# KiCad board PANEL_DRY_ELEC_6CH_THIN.kicad_pcb (continued)
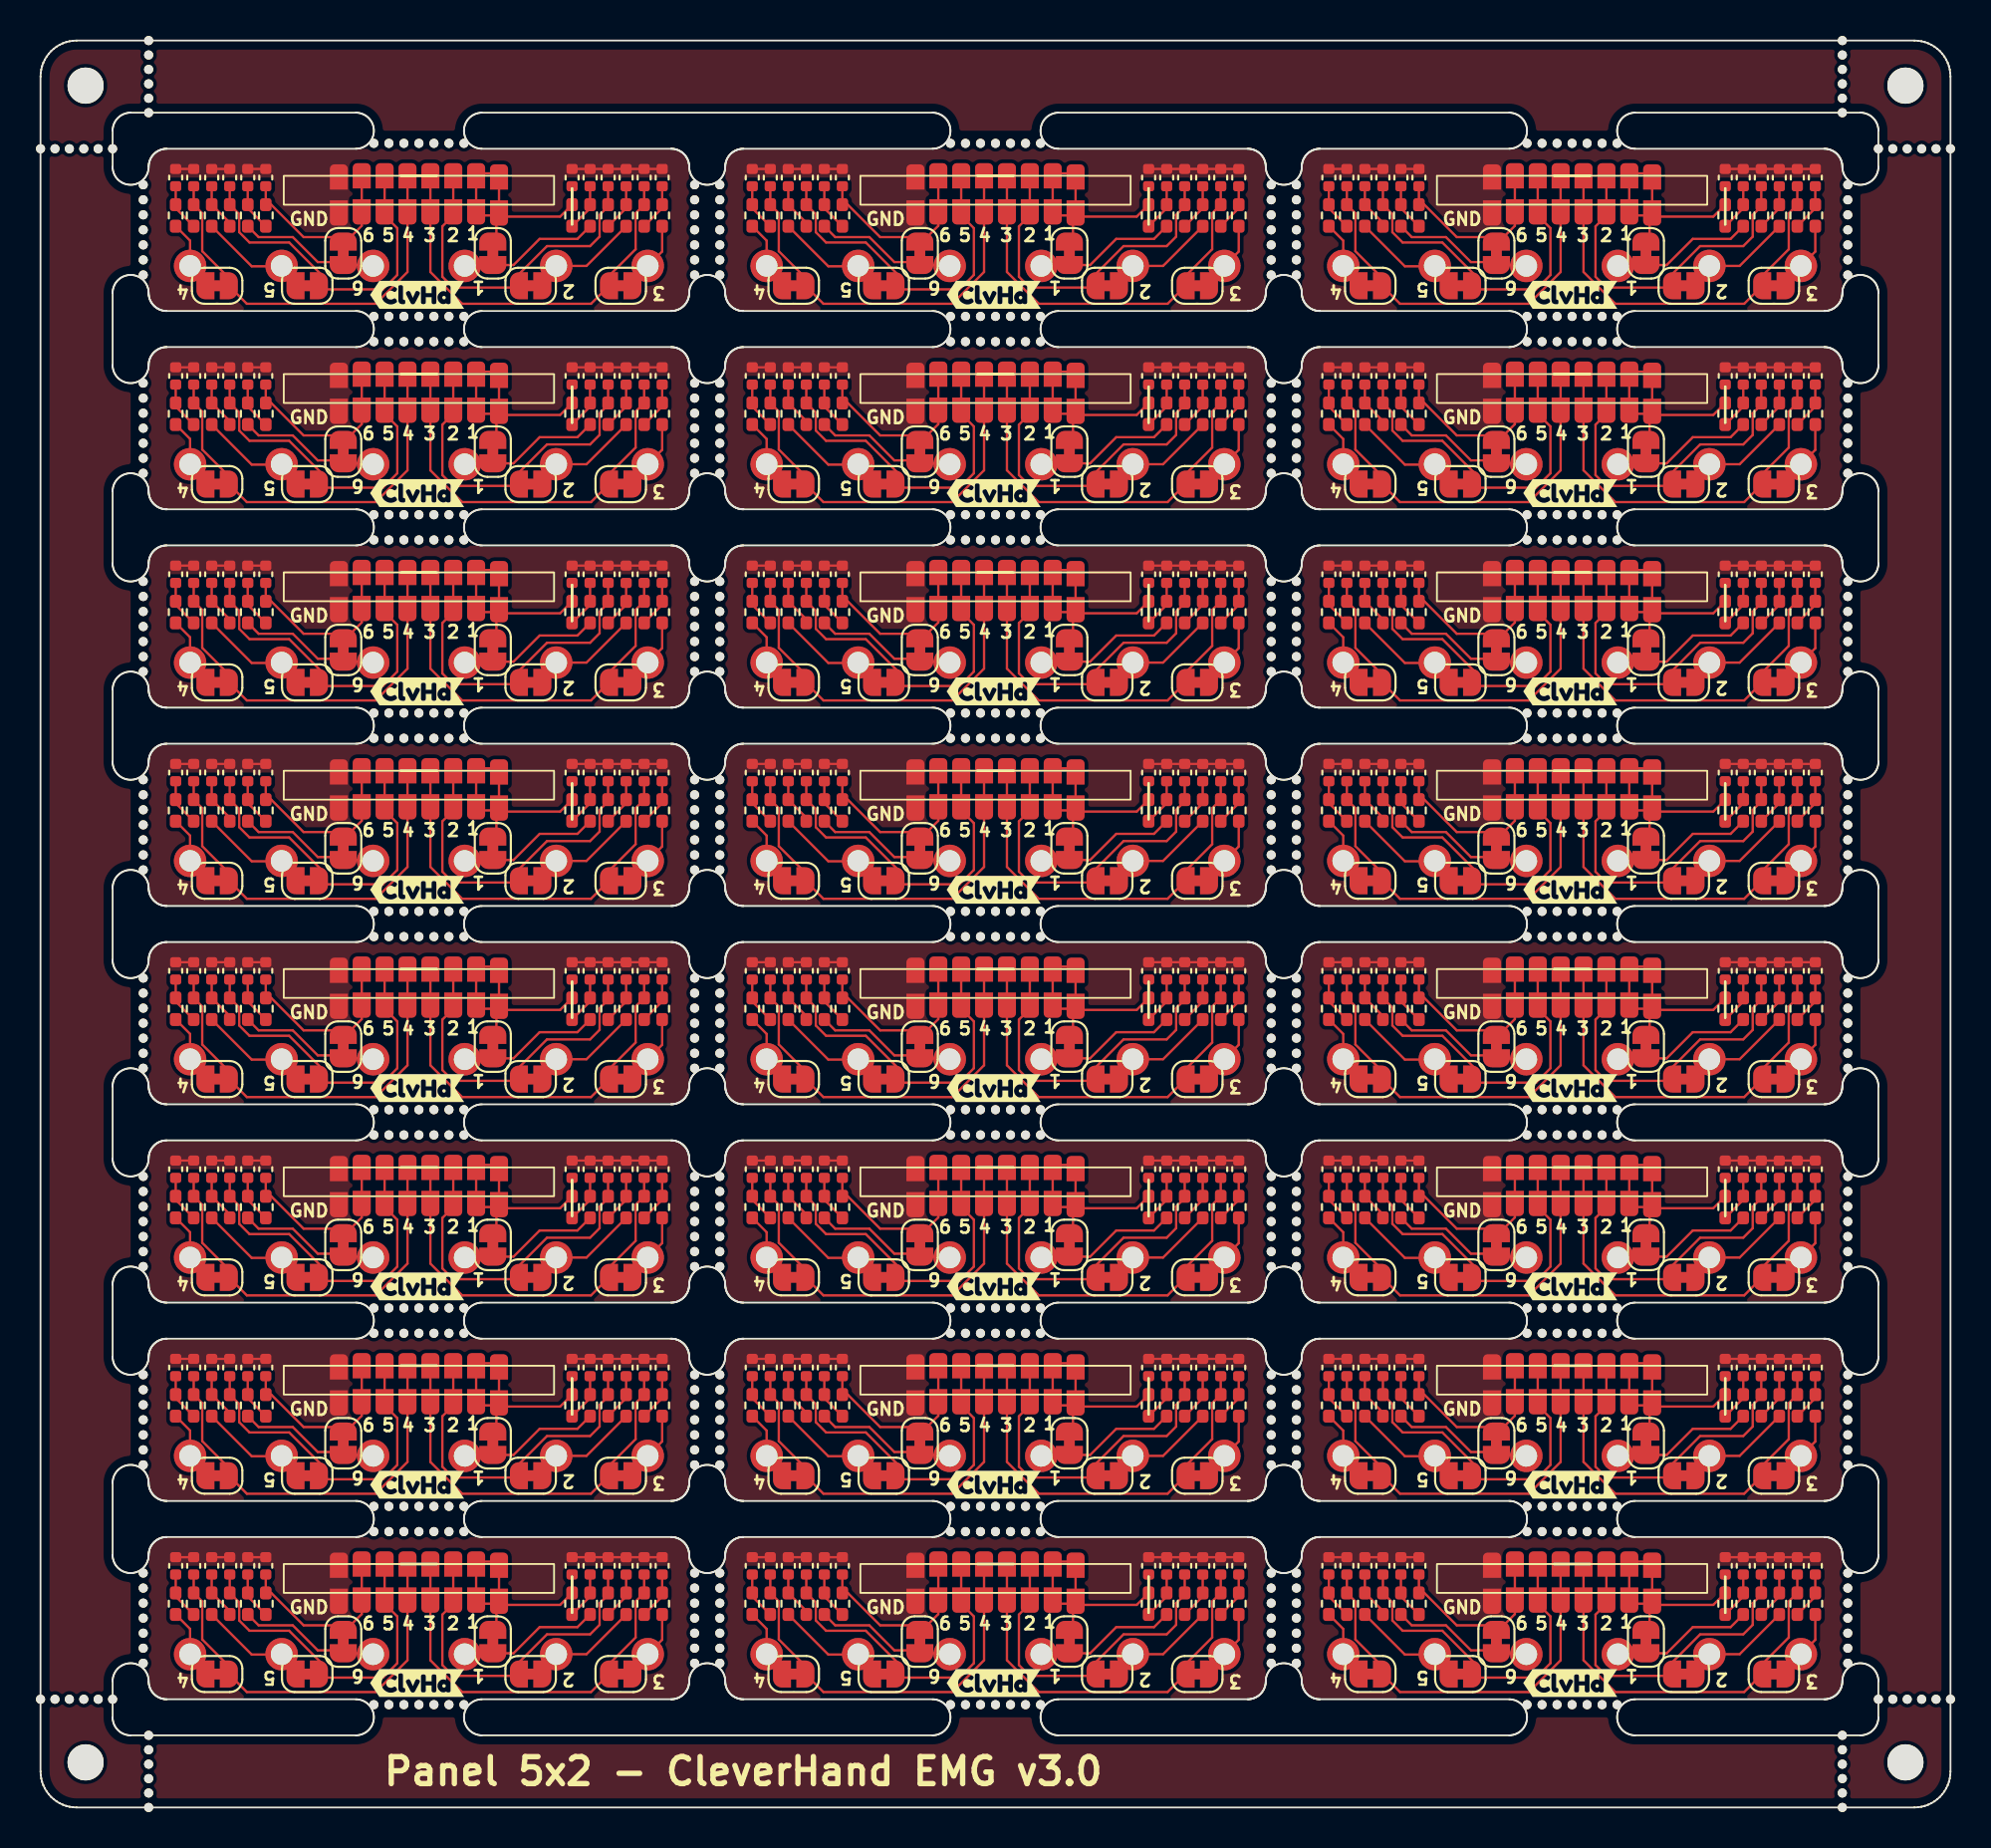
[diagram p0: board, top side]
## Nets (continued)
Board_4-/IN6: C12#23.1 J2#4.1 J10#9.1 JP6#14.2 R12#15.2
Board_4-GND: C1#18.2 C2#5.2 C3#4.2 C4#11.2 C5#7.2 C6#15.2 C7#2.2 C8#24.2 C9#2.2 C10#4.2 C11#23.2 C12#23.2 J1#12.1 J9#14.1
Board_4-Net-(C1-Pad1): C1#18.1 R1#10.2 R2#20.1
Board_4-Net-(C3-Pad1): C3#4.1 R3#19.2 R4#19.1
Board_4-Net-(C5-Pad1): C5#7.1 R5#2.2 R6#23.1
Board_4-Net-(C7-Pad1): C7#2.1 R7#13.2 R8.1
Board_4-Net-(C9-Pad1): C9#2.1 R9#3.2 R10#12.1
Board_4-Net-(C11-Pad1): C11#23.1 R11#16.2 R12#15.1
Board_5-/filtering_1/ELECTRODE: J17#17.1 JP1#2.1 R1#9.1
Board_5-/filtering_2/ELECTRODE: J18#19.1 JP2#24.1 R3.1
Board_5-/filtering_3/ELECTRODE: J19#10.1 JP3#24.1 R5#5.1
Board_5-/filtering_4/ELECTRODE: J20#14.1 JP4#11.1 R7#8.1
Board_5-/filtering_5/ELECTRODE: J21#5.1 JP5#7.1 R9#20.1
Board_5-/filtering_6/ELECTRODE: J22#24.1 JP6#4.1 R11#12.1
Board_5-/IN1: C2#24.1 J7#11.1 J8#14.1 J15#11.1 J16#20.1 JP1#2.2 R2#15.2
Board_5-/IN2: C4#19.1 J6#21.1 J14#2.1 JP2#24.2 R4#24.2
Board_5-/IN3: C6#10.1 J5#11.1 J13#18.1 JP3#24.2 R6#6.2
Board_5-/IN4: C8#2.1 J4#12.1 J12#23.1 JP4#11.2 R8#15.2
Board_5-/IN5: C10#3.1 J3#8.1 J11.1 JP5#7.2 R10#17.2
Board_5-/IN6: C12#4.1 J2#21.1 J10#10.1 JP6#4.2 R12#7.2
Board_5-GND: C1#16.2 C2#24.2 C3#11.2 C4#19.2 C5#4.2 C6#10.2 C7#21.2 C8#2.2 C9#19.2 C10#3.2 C11#19.2 C12#4.2 J1#5.1 J9#19.1
Board_5-Net-(C1-Pad1): C1#16.1 R1#9.2 R2#15.1
Board_5-Net-(C3-Pad1): C3#11.1 R3.2 R4#24.1
Board_5-Net-(C5-Pad1): C5#4.1 R5#5.2 R6#6.1
Board_5-Net-(C7-Pad1): C7#21.1 R7#8.2 R8#15.1
Board_5-Net-(C9-Pad1): C9#19.1 R9#20.2 R10#17.1
Board_5-Net-(C11-Pad1): C11#19.1 R11#12.2 R12#7.1
Board_6-/filtering_1/ELECTRODE: J17#6.1 JP1#11.1 R1#24.1
Board_6-/filtering_2/ELECTRODE: J18#14.1 JP2#15.1 R3#17.1
Board_6-/filtering_3/ELECTRODE: J19#12.1 JP3#23.1 R5#17.1
Board_6-/filtering_4/ELECTRODE: J20#3.1 JP4#5.1 R7#18.1
Board_6-/filtering_5/ELECTRODE: J21#10.1 JP5#4.1 R9#17.1
Board_6-/filtering_6/ELECTRODE: J22#5.1 JP6#15.1 R11#18.1
Board_6-/IN1: C2#3.1 J7#24.1 J8#20.1 J15#18.1 J16#14.1 JP1#11.2 R2#3.2
Board_6-/IN2: C4#23.1 J6#7.1 J14#5.1 JP2#15.2 R4#23.2
Board_6-/IN3: C6#8.1 J5#18.1 J13#6.1 JP3#23.2 R6#7.2
Board_6-/IN4: C8#23.1 J4#23.1 J12#13.1 JP4#5.2 R8#5.2
Board_6-/IN5: C10#17.1 J3#6.1 J11#21.1 JP5#4.2 R10#6.2
Board_6-/IN6: C12#7.1 J2#11.1 J10#7.1 JP6#15.2 R12.2
Board_6-GND: C1#2.2 C2#3.2 C3#13.2 C4#23.2 C5#20.2 C6#8.2 C7#9.2 C8#23.2 C9#17.2 C10#17.2 C11#17.2 C12#7.2 J1#3.1 J9#12.1
Board_6-Net-(C1-Pad1): C1#2.1 R1#24.2 R2#3.1
Board_6-Net-(C3-Pad1): C3#13.1 R3#17.2 R4#23.1
Board_6-Net-(C5-Pad1): C5#20.1 R5#17.2 R6#7.1
Board_6-Net-(C7-Pad1): C7#9.1 R7#18.2 R8#5.1
Board_6-Net-(C9-Pad1): C9#17.1 R9#17.2 R10#6.1
Board_6-Net-(C11-Pad1): C11#17.1 R11#18.2 R12.1
Board_7-/filtering_1/ELECTRODE: J17#3.1 JP1#21.1 R1#7.1
Board_7-/filtering_2/ELECTRODE: J18#9.1 JP2#3.1 R3#22.1
Board_7-/filtering_3/ELECTRODE: J19#15.1 JP3#13.1 R5#18.1
Board_7-/filtering_4/ELECTRODE: J20#4.1 JP4#13.1 R7#6.1
Board_7-/filtering_5/ELECTRODE: J21#3.1 JP5#3.1 R9#12.1
Board_7-/filtering_6/ELECTRODE: J22#11.1 JP6#3.1 R11#22.1
Board_7-/IN1: C2#18.1 J7#7.1 J8#22.1 J15.1 J16#16.1 JP1#21.2 R2#21.2
Board_7-/IN2: C4#5.1 J6#24.1 J14#10.1 JP2#3.2 R4#7.2
Board_7-/IN3: C6#14.1 J5#14.1 J13#3.1 JP3#13.2 R6#4.2
Board_7-/IN4: C8#21.1 J4#4.1 J12#9.1 JP4#13.2 R8#17.2
Board_7-/IN5: C10#6.1 J3#13.1 J11#19.1 JP5#3.2 R10#19.2
Board_7-/IN6: C12#14.1 J2#16.1 J10#6.1 JP6#3.2 R12#5.2
Board_7-GND: C1#3.2 C2#18.2 C3#2.2 C4#5.2 C5#9.2 C6#14.2 C7#18.2 C8#21.2 C9#11.2 C10#6.2 C11#6.2 C12#14.2 J1#14.1 J9#3.1
Board_7-Net-(C1-Pad1): C1#3.1 R1#7.2 R2#21.1
Board_7-Net-(C3-Pad1): C3#2.1 R3#22.2 R4#7.1
Board_7-Net-(C5-Pad1): C5#9.1 R5#18.2 R6#4.1
Board_7-Net-(C7-Pad1): C7#18.1 R7#6.2 R8#17.1
Board_7-Net-(C9-Pad1): C9#11.1 R9#12.2 R10#19.1
Board_7-Net-(C11-Pad1): C11#6.1 R11#22.2 R12#5.1
Board_8-/filtering_1/ELECTRODE: J17#2.1 JP1#12.1 R1#8.1
Board_8-/filtering_2/ELECTRODE: J18#12.1 JP2#21.1 R3#20.1
Board_8-/filtering_3/ELECTRODE: J19#11.1 JP3#7.1 R5#15.1
Board_8-/filtering_4/ELECTRODE: J20#2.1 JP4#12.1 R7#4.1
Board_8-/filtering_5/ELECTRODE: J21#23.1 JP5#9.1 R9.1
Board_8-/filtering_6/ELECTRODE: J22#21.1 JP6#5.1 R11#14.1
Board_8-/IN1: C2#19.1 J7#5.1 J8#18.1 J15#2.1 J16#3.1 JP1#12.2 R2#16.2
Board_8-/IN2: C4#17.1 J6#2.1 J14#3.1 JP2#21.2 R4#6.2
Board_8-/IN3: C6#6.1 J5#3.1 J13#22.1 JP3#7.2 R6#17.2
Board_8-/IN4: C8#19.1 J4#9.1 J12#10.1 JP4#12.2 R8#3.2
Board_8-/IN5: C10#20.1 J3#11.1 J11#11.1 JP5#9.2 R10#11.2
Board_8-/IN6: C12#21.1 J2#18.1 J10#4.1 JP6#5.2 R12#11.2
Board_8-GND: C1#5.2 C2#19.2 C3#5.2 C4#17.2 C5.2 C6#6.2 C7#8.2 C8#19.2 C9#14.2 C10#20.2 C11#16.2 C12#21.2 J1#18.1 J9#11.1
Board_8-Net-(C1-Pad1): C1#5.1 R1#8.2 R2#16.1
Board_8-Net-(C3-Pad1): C3#5.1 R3#20.2 R4#6.1
Board_8-Net-(C5-Pad1): C5.1 R5#15.2 R6#17.1
Board_8-Net-(C7-Pad1): C7#8.1 R7#4.2 R8#3.1
Board_8-Net-(C9-Pad1): C9#14.1 R9.2 R10#11.1
Board_8-Net-(C11-Pad1): C11#16.1 R11#14.2 R12#11.1
Board_9-/filtering_1/ELECTRODE: J17#4.1 JP1#22.1 R1#16.1
Board_9-/filtering_2/ELECTRODE: J18#3.1 JP2#12.1 R3#11.1
Board_9-/filtering_3/ELECTRODE: J19#4.1 JP3#21.1 R5#22.1
Board_9-/filtering_4/ELECTRODE: J20#16.1 JP4#23.1 R7#14.1
Board_9-/filtering_5/ELECTRODE: J21#18.1 JP5#23.1 R9#9.1
Board_9-/filtering_6/ELECTRODE: J22#7.1 JP6#8.1 R11#20.1
Board_9-/IN1: C2.1 J7#2.1 J8#16.1 J15#9.1 J16#10.1 JP1#22.2 R2#13.2
Board_9-/IN2: C4#8.1 J6#6.1 J14#20.1 JP2#12.2 R4#3.2
Board_9-/IN3: C6#19.1 J5#24.1 J13#5.1 JP3#21.2 R6#24.2
Board_9-/IN4: C8#20.1 J4#7.1 J12#3.1 JP4#23.2 R8#22.2
Board_9-/IN5: C10#12.1 J3#23.1 J11#8.1 JP5#23.2 R10#10.2
Board_9-/IN6: C12#11.1 J2#12.1 J10#18.1 JP6#8.2 R12#13.2
Board_9-GND: C1#8.2 C2.2 C3#8.2 C4#8.2 C5#8.2 C6#19.2 C7#16.2 C8#20.2 C9#8.2 C10#12.2 C11#22.2 C12#11.2 J1#22.1 J9.1
Board_9-Net-(C1-Pad1): C1#8.1 R1#16.2 R2#13.1
Board_9-Net-(C3-Pad1): C3#8.1 R3#11.2 R4#3.1
Board_9-Net-(C5-Pad1): C5#8.1 R5#22.2 R6#24.1
Board_9-Net-(C7-Pad1): C7#16.1 R7#14.2 R8#22.1
Board_9-Net-(C9-Pad1): C9#8.1 R9#9.2 R10#10.1
Board_9-Net-(C11-Pad1): C11#22.1 R11#20.2 R12#13.1
Board_10-/filtering_1/ELECTRODE: J17#7.1 JP1#24.1 R1#13.1
Board_10-/filtering_2/ELECTRODE: J18#17.1 JP2#10.1 R3#10.1
Board_10-/filtering_3/ELECTRODE: J19#21.1 JP3#22.1 R5#13.1
Board_10-/filtering_4/ELECTRODE: J20#9.1 JP4#20.1 R7#21.1
Board_10-/filtering_5/ELECTRODE: J21#17.1 JP5#11.1 R9#6.1
Board_10-/filtering_6/ELECTRODE: J22#13.1 JP6.1 R11#11.1
Board_10-/IN1: C2#9.1 J7#13.1 J8#11.1 J15#19.1 J16#18.1 JP1#24.2 R2#18.2
Board_10-/IN2: C4#14.1 J6#5.1 J14#6.1 JP2#10.2 R4#20.2
Board_10-/IN3: C6#7.1 J5#5.1 J13#21.1 JP3#22.2 R6#20.2
Board_10-/IN4: C8#13.1 J4#13.1 J12#12.1 JP4#20.2 R8#21.2
Board_10-/IN5: C10#13.1 J3#7.1 J11#14.1 JP5#11.2 R10#7.2
Board_10-/IN6: C12#16.1 J2#22.1 J10#19.1 JP6.2 R12#6.2
Board_10-GND: C1#4.2 C2#9.2 C3#3.2 C4#14.2 C5#12.2 C6#7.2 C7#4.2 C8#13.2 C9#3.2 C10#13.2 C11#11.2 C12#16.2 J1#13.1 J9#20.1
Board_10-Net-(C1-Pad1): C1#4.1 R1#13.2 R2#18.1
Board_10-Net-(C3-Pad1): C3#3.1 R3#10.2 R4#20.1
Board_10-Net-(C5-Pad1): C5#12.1 R5#13.2 R6#20.1
Board_10-Net-(C7-Pad1): C7#4.1 R7#21.2 R8#21.1
Board_10-Net-(C9-Pad1): C9#3.1 R9#6.2 R10#7.1
Board_10-Net-(C11-Pad1): C11#11.1 R11#11.2 R12#6.1
Board_11-/filtering_1/ELECTRODE: J17#10.1 JP1#13.1 R1#20.1
Board_11-/filtering_2/ELECTRODE: J18#22.1 JP2#2.1 R3#2.1
Board_11-/filtering_3/ELECTRODE: J19#22.1 JP3#4.1 R5#9.1
Board_11-/filtering_4/ELECTRODE: J20#10.1 JP4.1 R7#20.1
Board_11-/filtering_5/ELECTRODE: J21#15.1 JP5#2.1 R9#13.1
Board_11-/filtering_6/ELECTRODE: J22#8.1 JP6#7.1 R11#3.1
Board_11-/IN1: C2#23.1 J7#18.1 J8#19.1 J15#20.1 J16#2.1 JP1#13.2 R2#9.2
Board_11-/IN2: C4#22.1 J6#20.1 J14#19.1 JP2#2.2 R4#2.2
Board_11-/IN3: C6#16.1 J5#2.1 J13#10.1 JP3#4.2 R6#5.2
Board_11-/IN4: C8#4.1 J4#6.1 J12#14.1 JP4.2 R8#23.2
Board_11-/IN5: C10.1 J3#17.1 J11#23.1 JP5#2.2 R10#20.2
Board_11-/IN6: C12#18.1 J2#17.1 J10#17.1 JP6#7.2 R12#21.2
Board_11-GND: C1.2 C2#23.2 C3#9.2 C4#22.2 C5#18.2 C6#16.2 C7#13.2 C8#4.2 C9.2 C10.2 C11#21.2 C12#18.2 J1.1 J9#22.1
Board_11-Net-(C1-Pad1): C1.1 R1#20.2 R2#9.1
Board_11-Net-(C3-Pad1): C3#9.1 R3#2.2 R4#2.1
Board_11-Net-(C5-Pad1): C5#18.1 R5#9.2 R6#5.1
Board_11-Net-(C7-Pad1): C7#13.1 R7#20.2 R8#23.1
Board_11-Net-(C9-Pad1): C9.1 R9#13.2 R10#20.1
Board_11-Net-(C11-Pad1): C11#21.1 R11#3.2 R12#21.1
Board_12-/filtering_1/ELECTRODE: J17#16.1 JP1#23.1 R1#17.1
Board_12-/filtering_2/ELECTRODE: J18#23.1 JP2#4.1 R3#15.1
Board_12-/filtering_3/ELECTRODE: J19#3.1 JP3#16.1 R5#24.1
Board_12-/filtering_4/ELECTRODE: J20#8.1 JP4#21.1 R7#12.1
Board_12-/filtering_5/ELECTRODE: J21.1 JP5#10.1 R9#21.1
Board_12-/filtering_6/ELECTRODE: J22#23.1 JP6#23.1 R11.1
Board_12-/IN1: C2#10.1 J7#3.1 J8#15.1 J15#22.1 J16.1 JP1#23.2 R2#12.2
Board_12-/IN2: C4#2.1 J6#19.1 J14#14.1 JP2#4.2 R4#13.2
Board_12-/IN3: C6#5.1 J5#9.1 J13#11.1 JP3#16.2 R6#22.2
Board_12-/IN4: C8#11.1 J4#21.1 J12#7.1 JP4#21.2 R8#19.2
Board_12-/IN5: C10#7.1 J3#9.1 J11#12.1 JP5#10.2 R10#21.2
Board_12-/IN6: C12#22.1 J2#24.1 J10#24.1 JP6#23.2 R12#20.2
Board_12-GND: C1#12.2 C2#10.2 C3#15.2 C4#2.2 C5#11.2 C6#5.2 C7#22.2 C8#11.2 C9#20.2 C10#7.2 C11#14.2 C12#22.2 J1#8.1 J9#16.1
Board_12-Net-(C1-Pad1): C1#12.1 R1#17.2 R2#12.1
Board_12-Net-(C3-Pad1): C3#15.1 R3#15.2 R4#13.1
Board_12-Net-(C5-Pad1): C5#11.1 R5#24.2 R6#22.1
Board_12-Net-(C7-Pad1): C7#22.1 R7#12.2 R8#19.1
Board_12-Net-(C9-Pad1): C9#20.1 R9#21.2 R10#21.1
Board_12-Net-(C11-Pad1): C11#14.1 R11.2 R12#20.1
Board_13-/filtering_1/ELECTRODE: J17#20.1 JP1#15.1 R1#6.1
Board_13-/filtering_2/ELECTRODE: J18#20.1 JP2#23.1 R3#5.1
Board_13-/filtering_3/ELECTRODE: J19#17.1 JP3#15.1 R5#11.1
Board_13-/filtering_4/ELECTRODE: J20#24.1 JP4#19.1 R7#24.1
Board_13-/filtering_5/ELECTRODE: J21#7.1 JP5#24.1 R9#8.1
Board_13-/filtering_6/ELECTRODE: J22#19.1 JP6#24.1 R11#17.1
Board_13-/IN1: C2#11.1 J7#14.1 J8#9.1 J15#4.1 J16#12.1 JP1#15.2 R2#11.2
Board_13-/IN2: C4#3.1 J6#11.1 J14#22.1 JP2#23.2 R4#16.2
Board_13-/IN3: C6#13.1 J5#22.1 J13#23.1 JP3#15.2 R6#14.2
Board_13-/IN4: C8#18.1 J4#2.1 J12#11.1 JP4#19.2 R8#18.2
Board_13-/IN5: C10#14.1 J3#10.1 J11#9.1 JP5#24.2 R10.2
Board_13-/IN6: C12#9.1 J2#19.1 J10#14.1 JP6#24.2 R12#3.2
Board_13-GND: C1#23.2 C2#11.2 C3#16.2 C4#3.2 C5#13.2 C6#13.2 C7#24.2 C8#18.2 C9#5.2 C10#14.2 C11#15.2 C12#9.2 J1#21.1 J9#2.1
Board_13-Net-(C1-Pad1): C1#23.1 R1#6.2 R2#11.1
Board_13-Net-(C3-Pad1): C3#16.1 R3#5.2 R4#16.1
Board_13-Net-(C5-Pad1): C5#13.1 R5#11.2 R6#14.1
Board_13-Net-(C7-Pad1): C7#24.1 R7#24.2 R8#18.1
Board_13-Net-(C9-Pad1): C9#5.1 R9#8.2 R10.1
Board_13-Net-(C11-Pad1): C11#15.1 R11#17.2 R12#3.1
Board_14-/filtering_1/ELECTRODE: J17#12.1 JP1#16.1 R1#5.1
Board_14-/filtering_2/ELECTRODE: J18#15.1 JP2#13.1 R3#6.1
Board_14-/filtering_3/ELECTRODE: J19#2.1 JP3#12.1 R5#12.1
Board_14-/filtering_4/ELECTRODE: J20#12.1 JP4#8.1 R7#7.1
Board_14-/filtering_5/ELECTRODE: J21#2.1 JP5#8.1 R9#2.1
Board_14-/filtering_6/ELECTRODE: J22#18.1 JP6#6.1 R11#9.1
Board_14-/IN1: C2#13.1 J7#12.1 J8#4.1 J15#6.1 J16#19.1 JP1#16.2 R2#8.2
Board_14-/IN2: C4#21.1 J6#22.1 J14#18.1 JP2#13.2 R4#9.2
Board_14-/IN3: C6#21.1 J5#19.1 J13#4.1 JP3#12.2 R6#12.2
Board_14-/IN4: C8#15.1 J4#8.1 J12#2.1 JP4#8.2 R8#10.2
Board_14-/IN5: C10#23.1 J3#21.1 J11#24.1 JP5#8.2 R10#8.2
Board_14-/IN6: C12#6.1 J2.1 J10#3.1 JP6#6.2 R12#14.2
Board_14-GND: C1#11.2 C2#13.2 C3#17.2 C4#21.2 C5#15.2 C6#21.2 C7#14.2 C8#15.2 C9#12.2 C10#23.2 C11#3.2 C12#6.2 J1#10.1 J9#6.1
Board_14-Net-(C1-Pad1): C1#11.1 R1#5.2 R2#8.1
Board_14-Net-(C3-Pad1): C3#17.1 R3#6.2 R4#9.1
Board_14-Net-(C5-Pad1): C5#15.1 R5#12.2 R6#12.1
Board_14-Net-(C7-Pad1): C7#14.1 R7#7.2 R8#10.1
Board_14-Net-(C9-Pad1): C9#12.1 R9#2.2 R10#8.1
Board_14-Net-(C11-Pad1): C11#3.1 R11#9.2 R12#14.1
Board_15-/filtering_1/ELECTRODE: J17.1 JP1#19.1 R1#4.1
Board_15-/filtering_2/ELECTRODE: J18#16.1 JP2#16.1 R3#24.1
Board_15-/filtering_3/ELECTRODE: J19#20.1 JP3#17.1 R5#7.1
Board_15-/filtering_4/ELECTRODE: J20#7.1 JP4#24.1 R7#11.1
Board_15-/filtering_5/ELECTRODE: J21#4.1 JP5#5.1 R9#15.1
Board_15-/filtering_6/ELECTRODE: J22#4.1 JP6#19.1 R11#7.1
Board_15-/IN1: C2#14.1 J7#16.1 J8#5.1 J15#8.1 J16#13.1 JP1#19.2 R2#5.2
Board_15-/IN2: C4#9.1 J6#8.1 J14#7.1 JP2#16.2 R4#12.2
Board_15-/IN3: C6#3.1 J5#23.1 J13.1 JP3#17.2 R6#21.2
Board_15-/IN4: C8#9.1 J4.1 J12#8.1 JP4#24.2 R8#16.2
Board_15-/IN5: C10#22.1 J3#14.1 J11#20.1 JP5#5.2 R10#22.2
Board_15-/IN6: C12#3.1 J2#7.1 J10#16.1 JP6#19.2 R12#24.2
Board_15-GND: C1#22.2 C2#14.2 C3#21.2 C4#9.2 C5#22.2 C6#3.2 C7#7.2 C8#9.2 C9#18.2 C10#22.2 C11#8.2 C12#3.2 J1#23.1 J9#10.1
Board_15-Net-(C1-Pad1): C1#22.1 R1#4.2 R2#5.1
Board_15-Net-(C3-Pad1): C3#21.1 R3#24.2 R4#12.1
Board_15-Net-(C5-Pad1): C5#22.1 R5#7.2 R6#21.1
Board_15-Net-(C7-Pad1): C7#7.1 R7#11.2 R8#16.1
Board_15-Net-(C9-Pad1): C9#18.1 R9#15.2 R10#22.1
Board_15-Net-(C11-Pad1): C11#8.1 R11#7.2 R12#24.1
Board_16-/filtering_1/ELECTRODE: J17#23.1 JP1#10.1 R1#15.1
Board_16-/filtering_2/ELECTRODE: J18#11.1 JP2#7.1 R3#13.1
Board_16-/filtering_3/ELECTRODE: J19#9.1 JP3#18.1 R5#16.1
Board_16-/filtering_4/ELECTRODE: J20#6.1 JP4#9.1 R7#15.1
Board_16-/filtering_5/ELECTRODE: J21#20.1 JP5#6.1 R9#22.1
Board_16-/filtering_6/ELECTRODE: J22#10.1 JP6#13.1 R11#21.1
Board_16-/IN1: C2#22.1 J7#19.1 J8#23.1 J15#21.1 J16#24.1 JP1#10.2 R2#10.2
Board_16-/IN2: C4#18.1 J6.1 J14#21.1 JP2#7.2 R4#22.2
Board_16-/IN3: C6.1 J5#13.1 J13#8.1 JP3#18.2 R6#18.2
Board_16-/IN4: C8#3.1 J4#3.1 J12#19.1 JP4#9.2 R8#6.2
Board_16-/IN5: C10#11.1 J3#18.1 J11#18.1 JP5#6.2 R10#13.2
Board_16-/IN6: C12#19.1 J2#15.1 J10#22.1 JP6#13.2 R12#17.2
Board_16-GND: C1#9.2 C2#22.2 C3#24.2 C4#18.2 C5#5.2 C6.2 C7#10.2 C8#3.2 C9#7.2 C10#11.2 C11#5.2 C12#19.2 J1#15.1 J9#9.1
Board_16-Net-(C1-Pad1): C1#9.1 R1#15.2 R2#10.1
Board_16-Net-(C3-Pad1): C3#24.1 R3#13.2 R4#22.1
Board_16-Net-(C5-Pad1): C5#5.1 R5#16.2 R6#18.1
Board_16-Net-(C7-Pad1): C7#10.1 R7#15.2 R8#6.1
Board_16-Net-(C9-Pad1): C9#7.1 R9#22.2 R10#13.1
Board_16-Net-(C11-Pad1): C11#5.1 R11#21.2 R12#17.1
Board_17-/filtering_1/ELECTRODE: J17#24.1 JP1#6.1 R1#21.1
Board_17-/filtering_2/ELECTRODE: J18#7.1 JP2#19.1 R3#7.1
Board_17-/filtering_3/ELECTRODE: J19.1 JP3#8.1 R5#20.1
Board_17-/filtering_4/ELECTRODE: J20#5.1 JP4#10.1 R7.1
Board_17-/filtering_5/ELECTRODE: J21#9.1 JP5#18.1 R9#7.1
Board_17-/filtering_6/ELECTRODE: J22#16.1 JP6#10.1 R11#4.1
Board_17-/IN1: C2#15.1 J7#20.1 J8#24.1 J15#14.1 J16#21.1 JP1#6.2 R2#19.2
Board_17-/IN2: C4#7.1 J6#23.1 J14.1 JP2#19.2 R4#10.2
Board_17-/IN3: C6#18.1 J5#7.1 J13#14.1 JP3#8.2 R6#8.2
Board_17-/IN4: C8#12.1 J4#14.1 J12#24.1 JP4#10.2 R8#24.2
Board_17-/IN5: C10#21.1 J3#24.1 J11#3.1 JP5#18.2 R10#2.2
Board_17-/IN6: C12#15.1 J2#6.1 J10#20.1 JP6#10.2 R12#2.2
Board_17-GND: C1#17.2 C2#15.2 C3#23.2 C4#7.2 C5#2.2 C6#18.2 C7.2 C8#12.2 C9#10.2 C10#21.2 C11.2 C12#15.2 J1#11.1 J9#4.1
Board_17-Net-(C1-Pad1): C1#17.1 R1#21.2 R2#19.1
Board_17-Net-(C3-Pad1): C3#23.1 R3#7.2 R4#10.1
Board_17-Net-(C5-Pad1): C5#2.1 R5#20.2 R6#8.1
Board_17-Net-(C7-Pad1): C7.1 R7.2 R8#24.1
Board_17-Net-(C9-Pad1): C9#10.1 R9#7.2 R10#2.1
Board_17-Net-(C11-Pad1): C11.1 R11#4.2 R12#2.1
Board_18-/filtering_1/ELECTRODE: J17#22.1 JP1#18.1 R1#23.1
Board_18-/filtering_2/ELECTRODE: J18#24.1 JP2#17.1 R3#3.1
Board_18-/filtering_3/ELECTRODE: J19#24.1 JP3#5.1 R5#21.1
Board_18-/filtering_4/ELECTRODE: J20#15.1 JP4#16.1 R7#9.1
Board_18-/filtering_5/ELECTRODE: J21#13.1 JP5#15.1 R9#11.1
Board_18-/filtering_6/ELECTRODE: J22#22.1 JP6#18.1 R11#2.1
Board_18-/IN1: C2#8.1 J7#15.1 J8#10.1 J15#12.1 J16#5.1 JP1#18.2 R2#24.2
Board_18-/IN2: C4#10.1 J6#4.1 J14#24.1 JP2#17.2 R4#21.2
Board_18-/IN3: C6#23.1 J5#21.1 J13#15.1 JP3#5.2 R6#13.2
Board_18-/IN4: C8#5.1 J4#11.1 J12#18.1 JP4#16.2 R8#4.2
Board_18-/IN5: C10#19.1 J3#2.1 J11#13.1 JP5#15.2 R10#5.2
Board_18-/IN6: C12#24.1 J2#14.1 J10#2.1 JP6#18.2 R12#9.2
Board_18-GND: C1#21.2 C2#8.2 C3#12.2 C4#10.2 C5#10.2 C6#23.2 C7#17.2 C8#5.2 C9#15.2 C10#19.2 C11#10.2 C12#24.2 J1#20.1 J9#8.1
Board_18-Net-(C1-Pad1): C1#21.1 R1#23.2 R2#24.1
Board_18-Net-(C3-Pad1): C3#12.1 R3#3.2 R4#21.1
Board_18-Net-(C5-Pad1): C5#10.1 R5#21.2 R6#13.1
Board_18-Net-(C7-Pad1): C7#17.1 R7#9.2 R8#4.1
Board_18-Net-(C9-Pad1): C9#15.1 R9#11.2 R10#5.1
Board_18-Net-(C11-Pad1): C11#10.1 R11#2.2 R12#9.1
Board_19-/filtering_1/ELECTRODE: J17#9.1 JP1#3.1 R1#18.1
Board_19-/filtering_2/ELECTRODE: J18#21.1 JP2#8.1 R3#8.1
Board_19-/filtering_3/ELECTRODE: J19#6.1 JP3#19.1 R5#19.1
Board_19-/filtering_4/ELECTRODE: J20#22.1 JP4#4.1 R7#16.1
Board_19-/filtering_5/ELECTRODE: J21#14.1 JP5#12.1 R9#5.1
Board_19-/filtering_6/ELECTRODE: J22#6.1 JP6#20.1 R11#8.1
Board_19-/IN1: C2#17.1 J7#8.1 J8#3.1 J15#13.1 J16#11.1 JP1#3.2 R2#2.2
Board_19-/IN2: C4#24.1 J6#3.1 J14#15.1 JP2#8.2 R4#18.2
Board_19-/IN3: C6#4.1 J5#4.1 J13#9.1 JP3#19.2 R6#9.2
Board_19-/IN4: C8#22.1 J4#17.1 J12#6.1 JP4#4.2 R8#20.2
Board_19-/IN5: C10#16.1 J3.1 J11#16.1 JP5#12.2 R10#23.2
Board_19-/IN6: C12#20.1 J2#23.1 J10#11.1 JP6#20.2 R12#23.2
Board_19-GND: C1#13.2 C2#17.2 C3#6.2 C4#24.2 C5#16.2 C6#4.2 C7#23.2 C8#22.2 C9#22.2 C10#16.2 C11#13.2 C12#20.2 J1#24.1 J9#15.1
Board_19-Net-(C1-Pad1): C1#13.1 R1#18.2 R2#2.1
Board_19-Net-(C3-Pad1): C3#6.1 R3#8.2 R4#18.1
Board_19-Net-(C5-Pad1): C5#16.1 R5#19.2 R6#9.1
Board_19-Net-(C7-Pad1): C7#23.1 R7#16.2 R8#20.1
Board_19-Net-(C9-Pad1): C9#22.1 R9#5.2 R10#23.1
Board_19-Net-(C11-Pad1): C11#13.1 R11#8.2 R12#23.1
Board_20-/filtering_1/ELECTRODE: J17#14.1 JP1#7.1 R1#14.1
Board_20-/filtering_2/ELECTRODE: J18#2.1 JP2#11.1 R3#16.1
Board_20-/filtering_3/ELECTRODE: J19#16.1 JP3#10.1 R5#14.1
Board_20-/filtering_4/ELECTRODE: J20#20.1 JP4#14.1 R7#17.1
Board_20-/filtering_5/ELECTRODE: J21#16.1 JP5#20.1 R9#14.1
Board_20-/filtering_6/ELECTRODE: J22#12.1 JP6#22.1 R11#5.1
Board_20-/IN1: C2#20.1 J7#4.1 J8#12.1 J15#3.1 J16#8.1 JP1#7.2 R2#22.2
Board_20-/IN2: C4#16.1 J6#17.1 J14#9.1 JP2#11.2 R4#14.2
Board_20-/IN3: C6#9.1 J5#8.1 J13#13.1 JP3#10.2 R6#19.2
Board_20-/IN4: C8#10.1 J4#16.1 J12#4.1 JP4#14.2 R8#9.2
Board_20-/IN5: C10#18.1 J3#12.1 J11#6.1 JP5#20.2 R10#15.2
Board_20-/IN6: C12#10.1 J2#20.1 J10.1 JP6#22.2 R12#22.2
Board_20-GND: C1#20.2 C2#20.2 C3#20.2 C4#16.2 C5#23.2 C6#9.2 C7#19.2 C8#10.2 C9#24.2 C10#18.2 C11#4.2 C12#10.2 J1#16.1 J9#5.1
Board_20-Net-(C1-Pad1): C1#20.1 R1#14.2 R2#22.1
Board_20-Net-(C3-Pad1): C3#20.1 R3#16.2 R4#14.1
Board_20-Net-(C5-Pad1): C5#23.1 R5#14.2 R6#19.1
Board_20-Net-(C7-Pad1): C7#19.1 R7#17.2 R8#9.1
Board_20-Net-(C9-Pad1): C9#24.1 R9#14.2 R10#15.1
Board_20-Net-(C11-Pad1): C11#4.1 R11#5.2 R12#22.1
Board_21-/filtering_1/ELECTRODE: J17#21.1 JP1#4.1 R1#2.1
Board_21-/filtering_2/ELECTRODE: J18.1 JP2#9.1 R3#23.1
Board_21-/filtering_3/ELECTRODE: J19#5.1 JP3#9.1 R5#3.1
Board_21-/filtering_4/ELECTRODE: J20#18.1 JP4#15.1 R7#19.1
Board_21-/filtering_5/ELECTRODE: J21#11.1 JP5#14.1 R9#23.1
Board_21-/filtering_6/ELECTRODE: J22#9.1 JP6#17.1 R11#23.1
Board_21-/IN1: C2#4.1 J7#9.1 J8#8.1 J15#17.1 J16#15.1 JP1#4.2 R2#14.2
Board_21-/IN2: C4#6.1 J6#15.1 J14#8.1 JP2#9.2 R4#17.2
Board_21-/IN3: C6#11.1 J5#15.1 J13#19.1 JP3#9.2 R6#11.2
Board_21-/IN4: C8#14.1 J4#5.1 J12#15.1 JP4#15.2 R8#12.2
Board_21-/IN5: C10#5.1 J3#4.1 J11#22.1 JP5#14.2 R10#4.2
Board_21-/IN6: C12#12.1 J2#5.1 J10#12.1 JP6#17.2 R12#18.2
Board_21-GND: C1#10.2 C2#4.2 C3#18.2 C4#6.2 C5#24.2 C6#11.2 C7#11.2 C8#14.2 C9#21.2 C10#5.2 C11#20.2 C12#12.2 J1#19.1 J9#21.1
Board_21-Net-(C1-Pad1): C1#10.1 R1#2.2 R2#14.1
Board_21-Net-(C3-Pad1): C3#18.1 R3#23.2 R4#17.1
Board_21-Net-(C5-Pad1): C5#24.1 R5#3.2 R6#11.1
Board_21-Net-(C7-Pad1): C7#11.1 R7#19.2 R8#12.1
Board_21-Net-(C9-Pad1): C9#21.1 R9#23.2 R10#4.1
Board_21-Net-(C11-Pad1): C11#20.1 R11#23.2 R12#18.1
Board_22-/filtering_1/ELECTRODE: J17#13.1 JP1#17.1 R1#19.1
Board_22-/filtering_2/ELECTRODE: J18#5.1 JP2#14.1 R3#9.1
Board_22-/filtering_3/ELECTRODE: J19#8.1 JP3#3.1 R5#6.1
Board_22-/filtering_4/ELECTRODE: J20#17.1 JP4#6.1 R7#10.1
Board_22-/filtering_5/ELECTRODE: J21#12.1 JP5#17.1 R9#18.1
Board_22-/filtering_6/ELECTRODE: J22#17.1 JP6#21.1 R11#6.1
Board_22-/IN1: C2#12.1 J7#6.1 J8#21.1 J15#7.1 J16#6.1 JP1#17.2 R2.2
Board_22-/IN2: C4#15.1 J6#12.1 J14#16.1 JP2#14.2 R4#4.2
Board_22-/IN3: C6#12.1 J5.1 J13#20.1 JP3#3.2 R6#15.2
Board_22-/IN4: C8#6.1 J4#10.1 J12#20.1 JP4#6.2 R8#8.2
Board_22-/IN5: C10#9.1 J3#16.1 J11#5.1 JP5#17.2 R10#24.2
Board_22-/IN6: C12#17.1 J2#8.1 J10#15.1 JP6#21.2 R12#12.2
Board_22-GND: C1#19.2 C2#12.2 C3#10.2 C4#15.2 C5#14.2 C6#12.2 C7#12.2 C8#6.2 C9#13.2 C10#9.2 C11#2.2 C12#17.2 J1#17.1 J9#18.1
Board_22-Net-(C1-Pad1): C1#19.1 R1#19.2 R2.1
Board_22-Net-(C3-Pad1): C3#10.1 R3#9.2 R4#4.1
Board_22-Net-(C5-Pad1): C5#14.1 R5#6.2 R6#15.1
Board_22-Net-(C7-Pad1): C7#12.1 R7#10.2 R8#8.1
Board_22-Net-(C9-Pad1): C9#13.1 R9#18.2 R10#24.1
Board_22-Net-(C11-Pad1): C11#2.1 R11#6.2 R12#12.1
Board_23-/filtering_1/ELECTRODE: J17#8.1 JP1.1 R1#11.1
Board_23-/filtering_2/ELECTRODE: J18#8.1 JP2#20.1 R3#14.1
Board_23-/filtering_3/ELECTRODE: J19#13.1 JP3#14.1 R5.1
Board_23-/filtering_4/ELECTRODE: J20#21.1 JP4#3.1 R7#5.1
Board_23-/filtering_5/ELECTRODE: J21#8.1 JP5#22.1 R9#19.1
Board_23-/filtering_6/ELECTRODE: J22#15.1 JP6#16.1 R11#13.1
Board_23-/IN1: C2#6.1 J7.1 J8#2.1 J15#5.1 J16#9.1 JP1.2 R2#6.2
Board_23-/IN2: C4#13.1 J6#16.1 J14#23.1 JP2#20.2 R4#11.2
Board_23-/IN3: C6#24.1 J5#17.1 J13#2.1 JP3#14.2 R6#10.2
Board_23-/IN4: C8#16.1 J4#15.1 J12#22.1 JP4#3.2 R8#7.2
Board_23-/IN5: C10#15.1 J3#19.1 J11#2.1 JP5#22.2 R10#3.2
Board_23-/IN6: C12.1 J2#2.1 J10#8.1 JP6#16.2 R12#16.2
Board_23-GND: C1#6.2 C2#6.2 C3#22.2 C4#13.2 C5#6.2 C6#24.2 C7#15.2 C8#16.2 C9#6.2 C10#15.2 C11#18.2 C12.2 J1#4.1 J9#23.1
Board_23-Net-(C1-Pad1): C1#6.1 R1#11.2 R2#6.1
Board_23-Net-(C3-Pad1): C3#22.1 R3#14.2 R4#11.1
Board_23-Net-(C5-Pad1): C5#6.1 R5.2 R6#10.1
Board_23-Net-(C7-Pad1): C7#15.1 R7#5.2 R8#7.1
Board_23-Net-(C9-Pad1): C9#6.1 R9#19.2 R10#3.1
Board_23-Net-(C11-Pad1): C11#18.1 R11#13.2 R12#16.1

## Routing (per net, layer and track width the routed paths; a pad name or vN(x,y) marks a point on that pad's centre or on a via; arc(x,y) is an arc through that point)
(no net): length 402
  In2.Cu w0.127: 82.38,61.75 84.57,63.95 84.57,68.95 85,69.38 ; 85,79.7 85.6,79.1 85.6,74.78 87.63,72.75 ; 21,90.7 21.6,90.1 21.6,85.78 23.63,83.75 ; 53,68.7 53.6,68.1 53.6,63.77 55.63,61.75 ; 85,57.7 85.6,57.1 85.6,52.77 87.63,50.75 ; 53,25.38 52.57,24.95 52.57,19.95 50.38,17.75 ; 21,13.7 21.6,13.1 21.6,8.78 23.63,6.75 ; 23.63,17.75 21.6,19.78 21.6,24.1 21,24.7 ; 21,46.7 21.6,46.1 21.6,41.77 23.63,39.75 ; 55.63,28.75 53.6,30.78 53.6,35.1 53,35.7 ; 55.63,39.75 53.6,41.77 53.6,46.1 53,46.7 ; 53,47.38 52.57,46.95 52.57,41.95 50.38,39.75 ; 18.38,61.75 20.57,63.95 20.57,68.95 21,69.38 ; 53,91.38 52.57,90.95 52.57,85.95 50.38,83.75 ; 85,80.38 84.57,79.95 84.57,74.95 82.38,72.75 ; 18.38,72.75 20.57,74.95 20.57,79.95 21,80.38 ; 18.38,50.75 20.57,52.95 20.57,57.95 21,58.38 ; 53,58.38 52.57,57.95 52.57,52.95 50.38,50.75 ; 82.38,50.75 84.57,52.95 84.57,57.95 85,58.38 ; 21,25.38 20.57,24.95 20.57,19.95 18.38,17.75 ; 82.38,28.75 84.57,30.95 84.57,35.95 85,36.38 ; 85,47.38 84.57,46.95 84.57,41.95 82.38,39.75 ; 87.63,6.75 85.6,8.78 85.6,13.1 85,13.7 ; 18.38,28.75 20.57,30.95 20.57,35.95 21,36.38 ; 85,46.7 85.6,46.1 85.6,41.77 87.63,39.75 ; 23.63,28.75 21.6,30.78 21.6,35.1 21,35.7 ; 82.38,17.75 84.57,19.95 84.57,24.95 85,25.38 ; 50.38,72.75 52.57,74.95 52.57,79.95 53,80.38 ; 21,68.7 21.6,68.1 21.6,63.77 23.63,61.75 ; 55.63,72.75 53.6,74.78 53.6,79.1 53,79.7 ; 18.38,6.75 20.57,8.95 20.57,13.95 21,14.38 ; 85,91.38 84.57,90.95 84.57,85.95 82.38,83.75 ; 21,79.7 21.6,79.1 21.6,74.78 23.63,72.75 ; 18.38,39.75 20.57,41.95 20.57,46.95 21,47.38 ; 53,69.38 52.57,68.95 52.57,63.95 50.38,61.75 ; 55.63,83.75 53.6,85.78 53.6,90.1 53,90.7 ; 21,91.38 20.57,90.95 20.57,85.95 18.38,83.75 ; 85,90.7 85.6,90.1 85.6,85.78 87.63,83.75 ; 53,36.38 52.57,35.95 52.57,30.95 50.38,28.75 ; 82.38,6.75 84.57,8.95 84.57,13.95 85,14.38 ; 53,13.7 53.6,13.1 53.6,8.78 55.63,6.75 ; 53,57.7 53.6,57.1 53.6,52.77 55.63,50.75 ; 87.63,17.75 85.6,19.78 85.6,24.1 85,24.7 ; 53,14.38 52.57,13.95 52.57,8.95 50.38,6.75 ; 85,35.7 85.6,35.1 85.6,30.78 87.63,28.75 ; 23.63,50.75 21.6,52.77 21.6,57.1 21,57.7 ; 53,24.7 53.6,24.1 53.6,19.78 55.63,17.75 ; 87.63,61.75 85.6,63.77 85.6,68.1 85,68.7
Board_0-/filtering_1/ELECTRODE: length 7.9
  Top w0.127: R1#12.1 29.8,87 27.7,87 26.25,85.55 23.59,85.55 J17#15.1
Board_0-/filtering_2/ELECTRODE: length 4.8
  Top w0.127: J18#18.1 30.3,85.5 R3#18.1
Board_0-/filtering_3/ELECTRODE: length 2.5
  Top w0.127: R5#4.1 34.5,86.3 J19#23.1
Board_0-/filtering_4/ELECTRODE: length 4.3
  Top w0.127: R7#22.1 8.3,86.9 J20#23.1 9.4,84.4 9.65,84.4
Board_0-/filtering_5/ELECTRODE: length 6.4
  Top w0.127: 14.45,84.4 14.45,84.43 J21#24.1 13.38,85.48 11.72,85.48 9.5,87.7 R9#24.1
Board_0-/filtering_6/ELECTRODE: length 7.9
  Top w0.127: J22#2.1 18.41,85.55 16.7,85.55 16.54,85.71 15.39,85.71 14,87.1 12.1,87.1 R11#15.1
Board_0-/IN1: length 14.2
  Top w0.127: 25.3,86.85 25.3,88.09 J16#7.1 ; C2#7.1 R2#17.2 28.84,88.23 J16#7.1 ; J16#7.1 J8#17.1 24.24,90.64 J7#23.1 J15#23.1 25.38,88.3 J16#7.1
Board_0-/IN2: length 19.6
  Top w0.127: C4.1 R4.2 31.5,88.8 31.03,88.33 31.03,87.13 30.5,86.6 28.11,86.6 26.55,85.04 JP2#6.2 26.45,84.3 22.9,84.3 22.3,84.9 22.3,87.69 J14#4.1 J6#10.1
Board_0-/IN3: length 22.9
  Top w0.127: C6#22.1 R6.2 33.03,88.42 33.03,86.43 31.55,84.95 JP3#6.2 30.55,83.4 23.4,83.4 21.64,85.16 J13#17.1 J5#6.1
Board_0-/IN4: length 22.9
  Top w0.127: C8#7.1 R8#2.2 8.97,88.42 8.97,86.32 10.45,84.84 JP4#17.2 11.45,83.4 18.6,83.4 20.37,85.17 J12#17.1 J4#24.1
